# Allegro board A527_draft_V1_0.brd (continued)
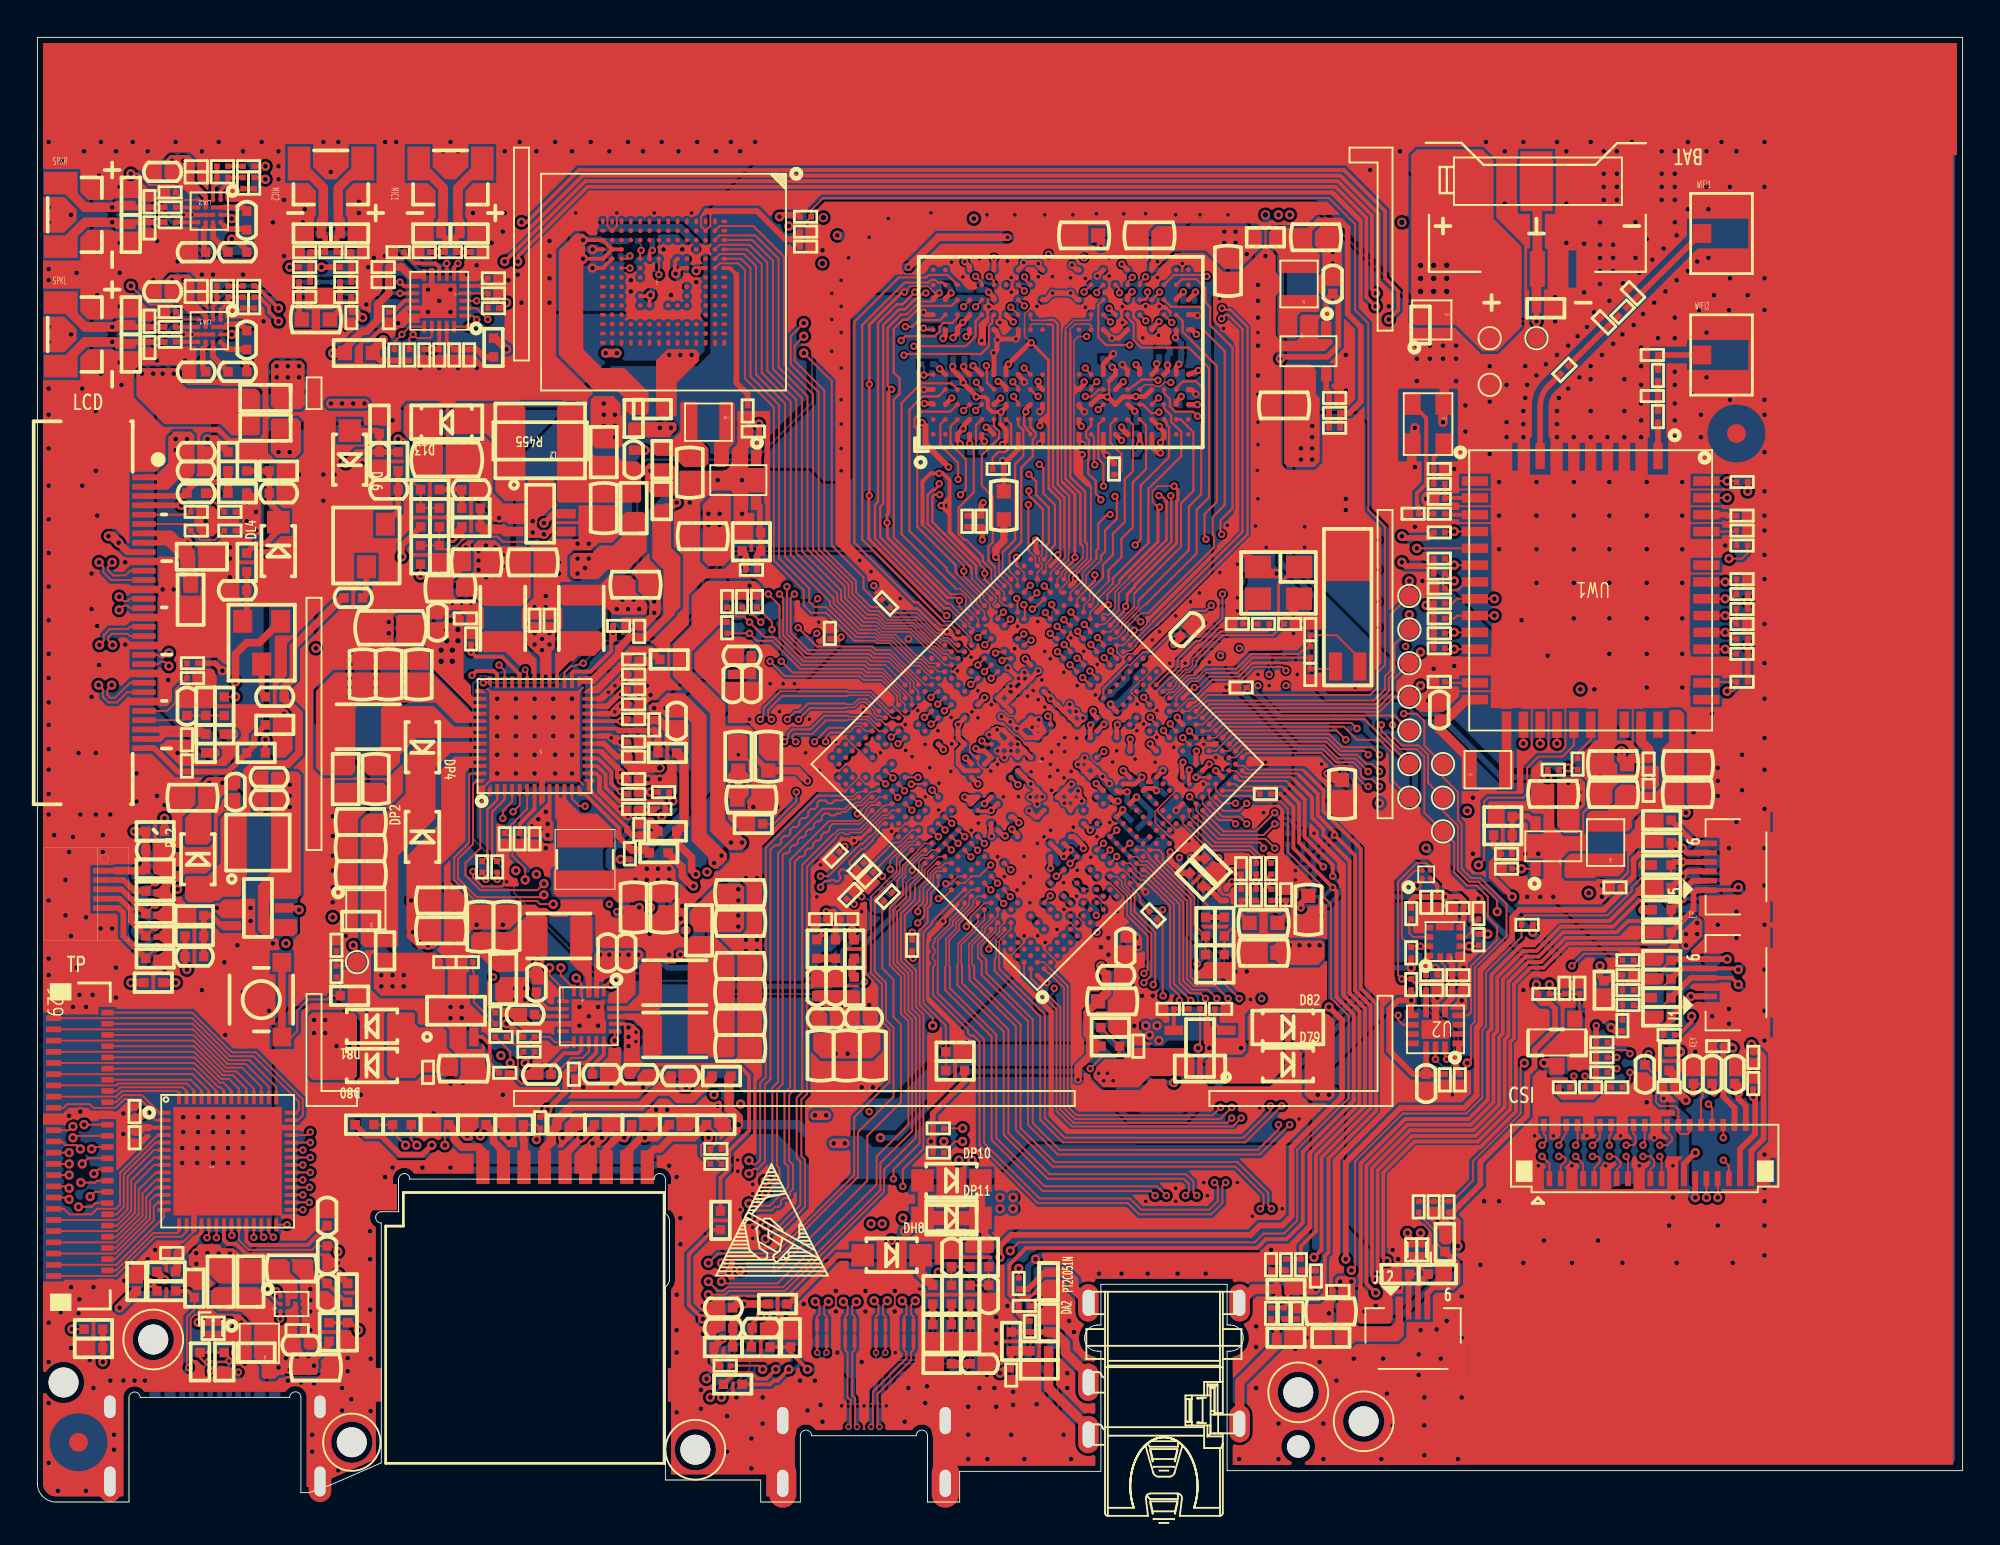
[diagram p0: board, top side]
## Routing (per net, layer and track width the routed paths; a pad name or vN(x,y) marks a point on that pad's centre or on a via; arc(x,y) is an arc through that point) (continued)
  BOTTOM w0.3: v1(54.1,66.8) 54.2,66.7 RD6.2 CD27.1 55.9,66.7 v1(56,66.6) ; v1(66.8,43.7) C60.1 68.4,43.7 ; v1(50.76,57.53) 51.05,57.53 CD26.1 ; v2(66.5,61.2) 66.5,50.3 68.4,48.4 68.4,43.7 ; 68.4,43.7 69,43.1 73.3,43.1 74.2,42.2 74.9,42.2 78.3,38.8 v2(80.8,38.8)
  BOTTOM w0.4: v2(66.5,61.2) 66.5,67.9 65.7,68.7 v4(65.7,68.9)
BLDO3: length 4.8
  TOP w0.2: UP1.21 31,41.4 31.1,41.3
  TOP w0.3: CP39.1 31.1,41.3
  TOP w0.4: RP35.1 33.2,41.1 CP39.1
BLDO4: length 96.6
  TOP w0.2: v1(31.2,41.8) UP1.22
  TOP w0.3: CV4.1 v2(91.8,21.7) 91.9,21.6 91.9,19.7 91.09,18.89 JV1.37 ; 31.5,41.8 CP41.1 31.3,41.9 v1(31.2,41.8) 31.5,41.8
  ART03 w0.4: v2(44.6,14.9) 44.6,15.3 45.7,16.4 49.6,16.4 52.5,19.3 59.8,19.3 62.65,22.15 65.3,22.15 65.93,22.78 67.58,22.78 67.7,22.9 81.4,22.9 82,23.5 83.4,23.5 84.5,22.4 85.4,22.4 86.1,23.1 90.7,23.1 91.8,22 v2(91.8,21.7)
  ART04 w0.4: v2(34.7,30.6) 36.1,29.2 36.1,23.7 38.3,21.5 38.3,21.2 v2(44.6,14.9)
  BOTTOM w0.4: v2(34.7,30.6) 34.2,30.6 33.4,31.4 33.4,32.1 33.1,32.4 32.1,32.4 31.4,33.1 31.4,33.7 34.6,36.9 34.6,39 31.8,41.8 v1(31.2,41.8)
BOOT-SEL-ADC: length 6.3
  TOP w0.1: U1.W1 59.86,34.41 61.9,32.37 61.9,30.9 R5.2 R8.1
BT-PCM-CLK: length 34.6
  TOP w0.1: U1.U4 v1(58.45,35.26) ; v2(77.1,34.1) 77.4,34.4 77.4,37.5 77.6,37.7 79.5,37.7 79.7,37.9 79.7,39.3 80.3,39.9 81.6,39.9 82.2,40.5 UW1.30
  ART04 w0.1: v1(58.45,35.26) 58.45,35.25 61.95,31.75 61.95,31.05 62.55,30.45 64.75,30.45 65.3,31 70.2,31 73.2,34 77,34 v2(77.1,34.1)
BT-PCM-DIN: length 37.2
  TOP w0.076: U1.U2 58.9,34.1 59.3,34.1
  TOP w0.1: 59.3,34.1 61.3,32.1 61.3,27.9 61.77,27.43 62.62,27.43 v1(63.1,26.95) ; UW1.28 v2(80.4,40.6)
  ART03 w0.1: v1(63.1,26.95) 63.7,26.35 65.73,26.35 66.48,27.1 70.33,27.1 72.1,28.87 72.1,30.62 73.1,31.62 73.1,35 78.2,40.1 79.9,40.1 v2(80.4,40.6)
BT-PCM-DOUT: length 37.8
  TOP w0.1: v1(62.5,26.95) 62.22,27.23 61.67,27.23 61.1,27.8 61.1,32 59.26,33.84 U1.U1 ; UW1.29 v2(81.3,40.6)
  ART03 w0.1: v1(62.5,26.95) 63.3,26.15 65.82,26.15 66.57,26.9 70.41,26.9 72.3,28.79 72.3,30.53 73.3,31.53 73.3,34.9 78.3,39.9 80.6,39.9 v2(81.3,40.6)
BT-PCM-SYNC: length 36.7
  TOP w0.076: 59.39,34.3 59.05,34.3 58.8,34.55 U1.U3
  TOP w0.1: 59.39,34.3 61.5,32.19 61.5,28 61.87,27.63 63.02,27.63 v1(63.7,26.95) ; UW1.27 v2(79.5,40.6)
  ART03 w0.1: v1(63.7,26.95) 64.1,26.55 65.65,26.55 66.4,27.3 70.25,27.3 71.9,28.95 71.9,30.7 72.9,31.7 72.9,35.1 78.4,40.6 v2(79.5,40.6)
BT-RESETN: length 35.5
  TOP w0.076: 64.05,40.5 63.75,40.21 U1.AM4
  TOP w0.1: 64.05,40.5 64.25,40.7 68.95,40.7 69.65,40 70.6,40 71.1,39.5 71.4,39.5 v1(71.8,39.1) ; v2(90.4,43.4) 90.7,43.4 90.9,43.6 RW65.1 89.34,43.9 UW1.38
  ART04 w0.1: v1(71.8,39.1) 72.6,39.1 75.9,35.8 83.9,35.8 90.4,42.3 v2(90.4,43.4)
BT-UART-CTS: length 51.7
  TOP w0.1: UW1.43 v2(90.3,48.35) 90.65,48.35 RW21.1 RW25.2 ; U1.R4 v1(57.74,34.55)
  ART04 w0.1: v1(57.74,34.55) 57.95,34.55 61.1,31.4 61.1,30.7 62.2,29.6 65.1,29.6 65.7,30.2 70.6,30.2 72.5,32.1 74.3,32.1 75.13,32.93 79.83,32.93 81.43,34.53 84.39,34.53 91.77,41.91 91.77,44.13 90.8,45.1 90.8,47.85 v2(90.3,48.35)
BT-UART-RTS: length 49.8
  TOP w0.1: UW1.42 v2(90.3,47.45) 90.45,47.45 RW24.2 RW20.1 ; U1.U6 v1(57.74,35.96)
  ART04 w0.1: v1(57.74,35.96) 58.34,35.96 62.37,31.93 62.37,31.23 62.73,30.87 64.57,30.87 65.1,31.4 67.8,31.4 68.3,31.9 70.3,31.9 72.9,34.5 75,34.5 75.7,35.2 84.1,35.2 91.1,42.2 91.1,43.8 89.6,45.3 89.6,46.75 v2(90.3,47.45)
BT-UART-RX: length 49.5
  TOP w0.1: U1.R6 v1(57.04,35.26) ; UW1.41 v2(90.3,46.55) 90.65,46.2 RW18.1
  ART04 w0.1: v1(57.04,35.26) 57.84,35.26 61.52,31.58 61.52,30.88 62.38,30.02 64.92,30.02 65.52,30.62 70.42,30.62 72.3,32.5 74.1,32.5 74.95,33.35 79.65,33.35 81.25,34.95 84.22,34.95 91.35,42.08 91.35,43.85 89.8,45.4 89.8,46.05 v2(90.3,46.55)
BT-UART-TX: length 48.1
  TOP w0.1: U1.R5 v1(57.39,34.9) ; RW19.1 90.55,45.4 v2(90.3,45.65) UW1.40
  ART04 w0.1: v1(57.39,34.9) 57.9,34.9 61.31,31.49 61.31,30.79 62.29,29.81 65.01,29.81 65.61,30.41 70.51,30.41 72.4,32.3 74.2,32.3 75.04,33.14 79.74,33.14 81.34,34.74 84.31,34.74 91.56,41.99 91.56,43.99 90.3,45.25 v2(90.3,45.65)
BT-WAKE-AP: length 46.4
  TOP w0.1: UW1.50 v2(90.4,54.65) 90.85,54.65 RW64.1 ; U1.AN4 63.76,40.56 64.1,40.9 69.03,40.9 69.73,40.2 71,40.2 v1(71.2,40)
  ART04 w0.1: v2(90.4,54.65) 89.9,54.15 89.9,53.5 91.2,52.2 91.2,50.1 90.9,49.8 90.1,49.8 89,48.7 89,42.7 85.2,38.9 85.2,38.1 83.5,36.4 76.3,36.4 72.3,40.4 71.6,40.4 v1(71.2,40)
CC1: length 10.4
  TOP w0.3: v2(3.5,7.5) DU5.2 RU20.1
  ART03 w0.1: v1(10.75,6.95) 10.3,6.5 6.5,6.5 5.9,7.1 3.9,7.1 v2(3.5,7.5)
  BOTTOM w0.2: JU3.A5 v1(10.75,6.95)
CC1-AXP717C: length 44.1
  TOP w0.1: v1(24.9,36.6) 24.9,37 25.4,37.5 UP1.4 ; RU20.2 v2(1.85,9.25)
  ART04 w0.1: v2(1.85,9.25) 2.65,9.25 4.6,11.2 9.7,11.2 11.85,13.35 12.9,13.35 15.4,15.85 15.4,17.7 23.35,25.65 23.35,26.7 22.9,27.15 22.9,33 22.7,33.2 22.7,34.7 24.6,36.6 v1(24.9,36.6)
CC2: length 6.3
  TOP w0.1: v1(8.1,7.2) 8,7.3 8,9.9 8.4,10.3 DU6.2
  TOP w0.2: RU21.1 8.05,11.3 DU6.2
  BOTTOM w0.2: JU3.B5 7.75,6.85 v1(8.1,7.2)
CC2-AXP717C: length 39.4
  TOP w0.1: v1(25.45,36.95) 25.8,37.3 UP1.5
  TOP w0.3: RU21.2 6.4,11.37 v2(6.04,11.74)
  ART04 w0.1: v2(6.04,11.74) 6.37,11.4 9.6,11.4 11.75,13.55 12.81,13.55 15.2,15.94 15.2,17.8 15.9,18.5 23.15,25.75 23.15,26.62 22.7,27.07 22.7,32.9 22.5,33.1 22.5,34.8 24.7,37 25.4,37 v1(25.45,36.95)
CHGLED-: length 56.3
  TOP w0.2: v1(23.25,44.25) 23.48,44.48 24.43,44.48 24.6,44.3 UP1.38
  ART03 w0.2: v1(30.6,32) 30.6,32.6 29.7,33.5 29.7,35.3 28.4,36.6 28.4,37.7 29.6,38.9 29.6,43.5 29,44.1 25,44.1 24.7,44.4 23.4,44.4 v1(23.25,44.25)
  ART04 w0.2: v1(30.6,32) 31.1,32.5 32.9,32.5 33.33,32.07 33.33,29.12 34.67,27.77 34.67,22.93 35.2,22.4 35.2,21.7 36.2,20.7 37.7,20.7 38,20.4 38,19.92 37.05,18.97 37.05,14.71 38.8,12.97 38.8,10.8 38.1,10.1 38.1,8.9 v2(35.8,6.6)
  BOTTOM w0.2: v2(35.8,6.6) 35.8,6.75 DP5.2
CLDO1: length 107.2
  TOP w0.2: UP1.23 30,42.2
  TOP w0.25: U1.N9 v1(55.27,34.9) ; v1(54.91,34.55) U1.M10
  TOP w0.254: v1(51.78,35.65) 51.76,35.67 51.67,35.67 U1.J15 ; v1(62.01,40.2) 61.98,40.17 61.98,39.51 U1.AJ5 ; U1.M21 U1.L22 49.26,39.5 49.26,40.21 U1.N24 49.26,40.91 v1(49.26,41.62) 49.61,41.98 U1.R26 ; U1.K13 52.44,35.71 v1(52.14,36.01)
  TOP w0.3: v1(30.9,42.3) 30.8,42.2 30,42.2 ; v1(54.91,34.55) v1(55.27,34.9) ; v1(69,39) 69.35,38.65 C69.1 69.45,39 v1(69,39)
  TOP w0.4: v2(9.1,56.9) 9.5,56.9 RL14.1 ; C107.1 58.2,30.44 v1(58.41,30.65) 58.8,30.26 v2(58.8,30.2) 58.9,30.1 v1(58.9,29.7) ; v2(25.1,61.7) 24.5,62.3 RA30.1 ; CP36.1 31.5,42.6 v1(31.2,42.6) 31.3,42.7 CP36.1
  TOP w0.5: C112.1 33.8,42.3 v2(33.6,42.5) v2(33,42.5) ; RL13.1 v2(9.5,40.1) ; 38.2,44.9 37.6,44.3 ; 38.2,44.9 v2(38.2,44.8) C113.1 37.6,44.3 ; 38.2,44.9 C114.1 ; 37.6,44.3 C115.1 ; v2(41.6,20.7) v2(42.2,20.7) ; v1(30.9,42.3) v1(31.2,42.6) ; C107.1 v2(58.8,30.2)
  ART03 w0.305: v1(52.14,36.01) v1(51.78,35.65)
  ART04 w0.3: v1(69,39) 68.4,39 67,40.4 62.9,40.4 62.6,40.1 62.11,40.1 v1(62.01,40.2) ; v1(49.26,41.62) 48.45,40.81 47.94,40.81 46.43,42.33 ; v1(51.78,35.65) v1(52.14,36.01)
  ART04 w0.5: v2(42.2,20.7) v2(41.6,20.7) 39.2,23.1 39.2,33.6 38.2,34.6 v2(36.6,34.6) v2(36.2,34.2) ; 46.43,42.33 46.43,42.58 44.6,44.4 38.6,44.4 v2(38.2,44.8)
  BOTTOM w0.3: C80.1 56.65,31.65 v1(56.65,31.4) ; v1(54.91,34.55) v1(55.27,34.9) ; v1(69,39) 69,37.8 70.6,36.2 70.6,27.07 66.73,23.2 62.7,23.2 ; 62.2,23.2 62.7,23.2 ; 62.7,23.2 62.5,23
  BOTTOM w0.305: v1(55.27,34.9) 55.3,34.9 56.2,34 56.22,34 C57.1
  BOTTOM w0.4: C58.1 C81.1 58.6,29.4 58.8,29.6 ; C58.1 v2(58.8,30.2) ; C58.1 58.4,30.64 v1(58.41,30.65) 58.4,30.66 C78.1 58.4,31.82 ; 58.4,31.82 58.8,31.42 v2(58.8,30.2) ; 58.4,31.82 C79.1 C57.1 ; v2(58.8,30.2) 58.8,29.6 ; v2(58.8,30.2) 58.9,30.1 v1(58.9,29.7) 58.8,29.6
  BOTTOM w0.5: v2(38.2,44.8) C19.1 C51.1 35.4,44.3 v2(33.6,42.5) v2(33,42.5) 32.95,42.45 31.95,42.45 31.9,42.4 ; 31,42.4 v1(30.9,42.3) ; 31,42.4 v1(31.2,42.6) 31.7,42.6 31.9,42.4 ; 31,42.4 31.9,42.4 ; v2(42.2,20.7) v2(41.6,20.7)
  vias: v2(33.8,61.4) v2(34.4,61.4) v2(35,61.4)
CLDO2: length 83.6
  TOP w0.2: 30,42.6 UP1.24
  TOP w0.3: 30,42.6 30.49,42.6 31.09,43.2 31.17,43.2 v1(31.2,43.23) ; v1(31.2,43.23) 31.23,43.23 31.3,43.3 31.4,43.3 CP38.1 31.4,43.5 31.2,43.3 v1(31.2,43.23)
  TOP w0.4: RL36.2 6.39,12.31 v2(6.8,11.9) ; RL35.2 v2(7.4,27.8) ; BL1.1 v2(6.8,36.6) ; RL37.2 v2(16.1,12.2)
  ART03 w0.4: v2(14.9,45.7) 14.1,44.9 14.1,41.2 10.67,37.77 9.77,37.77 8.6,36.6 v2(6.8,36.6) ; v2(6.8,11.9) 7.5,11.2 11.2,11.2 12.7,12.7 15.2,12.7 15.7,12.2 v2(16.1,12.2) 16.3,12.2 16.65,12.55 16.65,21.05 11.1,26.6 8.6,26.6 v2(7.4,27.8)
  ART04 w0.4: v2(14.9,45.7) 17.8,48.6 25,48.6 25.6,49.2 27.5,49.2 28.2,48.5 28.2,48.2 31.9,44.5 31.9,43.8 31.33,43.23 v1(31.2,43.23) 31.19,43.21 ; v2(6.8,36.6) 8.5,34.9 8.5,29.9 7.4,28.8 v2(7.4,27.8)
CLDO3: length 263.8
  TOP w0.1: 50.93,36.93 v1(51.03,37.03) 51.03,37.03 U1.J18 50.41,36.93 50.93,36.93
  TOP w0.2: U5.B1 74.9,33 C97.1 ; CP149.1 29,23.5 29.35,23.5 29.9,24.05 UP8.14 ; UM1.F5 34.1,66.4 34.1,65.8 v2(34.15,65.75) 34.45,66.05 UM1.E6 ; UM1.J10 32.75,64.55 ; 32.75,64.55 v2(32.8,64.6) ; 32.75,64.55 UM1.K9
  TOP w0.25: U1.AC9 v1(58.1,39.15) ; U1.L26 48.47,40.29 v1(48.47,40.28) ; U1.L17 v1(51.03,37.03)
  TOP w0.254: v1(56.48,42.34) 56.48,42.17 U1.AE16 ; v1(52.51,36.36) 52.2,36.67 U1.L15 ; U1.P9 55.47,35.61 55.97,35.12 v1(55.97,34.99)
  TOP w0.3: R6.2 49.6,22.5 47.9,20.8 RL33.1 47.9,19.4 v2(47.8,19.3) 47.9,19.2 RL34.1 ; RP77.1 17.6,19.6 18.4,19.6 19.4,18.6 20.6,18.6 v2(21.1,19.1) ; 36.6,47.1 36.3,47.4 ; 36.6,47.1 36.3,47.1 36.3,47.4 ; 36.6,47.1 R21.1 ; 36.3,47.4 36.3,48.3 36.5,48.5 R24.1 R22.1 v2(38.1,48.5) ; v1(42.6,31) 42.6,31.2 ; v1(42.6,31) 42.8,31 C56.1 ; v1(42.6,31) 42.4,31 C55.1 ; v1(42.6,31) 42.7,30.9 RP34.1 ; 42.6,31.2 C56.1 ; 42.6,31.2 v1(42.2,31.6) ; 42.6,31.2 C55.1 ; R35.2 v2(77.6,30.4) ; v1(42.2,31.6) 42.6,31.6 C56.1 ; v1(42.2,31.6) C55.1 ; C93.1 73.6,22.9 72.33,24.17 72.33,26.38 72.8,26.85 v2(73.5,26.85) ; C93.1 U2.12 ; C93.1 C92.1 ; RC3.2 36.6,19 37.5,19.9 v4(37.5,20.2) ; v1(60.8,45.9) 61.15,46.25 C104.1 ; RA29.1 18.35,61.1 R42.1 R41.1 ; U2.5 75.3,26.6 75.7,27 C91.1 v2(75.7,27.8) C100.1 75.7,28.8 75.55,28.95 U7.3 ; RC4.2 v2(27.3,21) 28.25,21.95 28.25,22.95 28.5,23.2 CP149.1 ; R28.1 v2(73.5,28.6) ; v2(73.5,26.85) R29.1 ; v2(73.5,26.85) 73.5,26.1 U2.8 ; v2(38.1,48.5) v2(38.1,49.05) ; v2(38.1,48.5) R23.1 ; U7.7 76.3,30.95 C101.1 76.3,32.2 76.1,32.4 v2(75.3,32.4) C97.1 C96.1 73.7,32.4 73.5,32.2 R33.2 ; C49.1 38.3,39.95 38.3,41.1 38,41.4 36.6,41.4
  TOP w0.4: C105.1 56.16,26.21 56.16,25.04 56.3,24.9 ; v1(55.68,22.6) 55.68,23.28 56.3,23.9 ; v1(41.2,38.6) 40.65,39.15 C49.1 ; 56.3,24.4 56.3,23.9 ; 56.3,24.4 56.8,24.4 ; 56.3,24.4 56.3,24.9 ; 56.3,23.9 56.8,24.4 ; 56.8,24.4 R47.2 ; 56.8,24.4 56.3,24.9 ; v2(36.64,8.74) R30.2 36.2,7.6 R31.2 ; C98.1 37.4,10.6 v2(37.8,10.6) RH4.1 ; C106.1 56.9,28.5 v2(56.9,28.7) ; v2(31,61.5) v2(30.4,61.5)
  TOP w0.5: RC2.1 37,22.7 37,21.07 37.5,20.57 v4(37.5,20.2) ; v2(43.2,19.2) v2(42.6,19.2) ; C105.1 57.2,27.25 C106.1 ; v2(18.5,62.2) 17.95,61.65 RA29.1
  ART03 w0.3: v2(73.5,26.85) 74.45,27.8 v2(75.7,27.8) ; v2(56.9,28.7) 56,29.6 56,31.7 56.4,32.1 56.4,33.75 55.8,34.35 55.8,34.82 v1(55.97,34.99) ; v1(51.03,37.03) 50.9,36.9 50.2,36.9 48.2,34.9 48.2,34.5 46.9,33.2 46.5,33.2 44.4,31.1 43.8,31.1 43.3,31.6 v1(42.2,31.6) ; v1(56.48,42.34) 56.48,42.46 59.03,45 59.9,45 v1(60.8,45.9) ; v1(42.6,31) 42.6,30.7 43.2,30.1 44.1,30.1 46.7,32.7 47.1,32.7 48.5,34.1 48.8,34.1 51,36.3 51.5,36.3 51.8,36.6 52.27,36.6 v1(52.51,36.36) ; v1(73.2,45.8) 73.2,42.9 73.7,42.4 73.7,39.3 v2(71.8,37.4)
  ART04 w0.3: v2(27.3,21) 26.5,20.2 22,20.2 21.1,19.3 v2(21.1,19.1) ; v2(56.9,28.7) 57.6,28.7 57.7,28.8 v1(62.05,28.8) ; v1(60.8,45.9) 63.5,45.9 63.9,46.3 66.2,46.3 66.7,45.8 v1(73.2,45.8) ; v1(41.2,38.6) 42.4,38.6 43.4,39.6 46.3,39.6 46.5,39.4 47,39.4 47.88,40.28 v1(48.47,40.28)
  ART04 w0.305: v1(58.1,39.15) 59.29,37.95 59.29,37.24 61.1,35.44 v1(61.1,34.5)
  ART04 w0.4: 42,31.6 40.5,31.6 40.1,32 40.1,34 38.8,35.3 v2(37.7,35.3) v2(37.1,35.3) ; 42,31.6 v1(42.2,31.6) 42.2,31.4 ; 42,31.6 42.2,31.4 ; v2(37.8,10.6) 38.4,11.2 38.4,12.8 36.65,14.55 36.65,19.35 36.88,19.58 ; 36.88,19.58 v4(37.5,20.2) ; 36.88,19.58 36.88,19.62 ; 36.88,19.62 36.3,20.2 ; 36.88,19.62 36.88,20.02 36.7,20.2 ; 42.2,31.4 v1(42.6,31)
  ART04 w0.5: v2(27.3,21) 27.9,21.6 34.4,21.6 35.8,20.2 v4(37.5,20.2)
  BOTTOM w0.3: v1(61.1,34.5) C61.1 61.7,33.4 61.7,30.4 62.3,29.8 62.3,29.1 62.05,28.85 v1(62.05,28.8) ; CM6.1 34.3,65.6 v2(34.15,65.75) ; v1(48.47,40.28) 48.47,40.33 C50.1 ; 71.8,32.1 71.8,26.7 68.2,23.1 ; 71.8,32.1 71.8,32.7 ; 71.8,32.1 72.1,32.4 ; v1(51.03,37.03) 50.9,36.9 50.68,36.9 C102.1 ; 71.8,32.7 72.1,32.4 ; 71.8,32.7 v2(71.8,37.4) ; 72.1,32.4 v2(75.3,32.4) 75.4,32.4 76.7,31.1 76.9,31.1 v2(77.6,30.4) ; v2(73.5,28.6) 72.3,28.6 ; v2(32.8,64.6) 32.9,64.7 CM1.1 ; 67.3,19.4 58.9,19.4 55.7,22.6 v1(55.68,22.6)
  BOTTOM w0.4: v2(36.64,8.74) 36.64,10.14 37.1,10.6 v2(37.8,10.6) 40.2,10.6 41.01,9.79 U6.5
  BOTTOM w0.5: v4(37.5,20.2) 40.7,20.2 42,18.9 ; v2(31,61.5) v2(30.4,61.5) ; v2(38.1,49.05) 38.1,49.1 37.7,49.5 TP21.1 37.5,49.1 v2(38.1,48.5) v2(38.1,49.05)
  vias: v2(33.3,57.5) v2(33.9,57.5)
CLDO4: length 18.4
  TOP w0.2: 29.72,44 29.61,43.89 UP1.27 29.11,44 29.29,44
  TOP w0.3: UP7.1 38.6,56.05 CP67.2 v2(38.6,57.7) ; v2(34.2,53.5) 34,53.3 33.6,53.3 RP31.1
  TOP w0.4: 33.9,48.3 33.9,47.6 33.7,47.4 ; 33.7,47.4 32.6,46.3 CP42.1 31.7,46.3 31.1,45.7 31.1,45.38 29.72,44 29.29,44 ; 33.7,47.4 33.7,48.6
  ART03 w0.3: v2(34.2,53.5) 34.2,53.8 35.45,55.05 35.95,55.05 v2(38.6,57.7)
CODEC0-AVDD: length 21.8
  TOP w0.2: UA3.18 CA47.1 ; 20.6,65.69 UA3.10
  TOP w0.3: CA47.1 v2(21.1,61.7) CA48.1 ; RA31.2 24.8,63.9 v2(25.1,64.2)
  TOP w0.4: RA29.2 16.45,61.75 17.37,62.67 17.62,62.67 18.2,63.25 18.2,64.1 18.8,64.7 CA54.1 CA53.1 19.5,66.1 19.91,65.69 20.6,65.69
  TOP w0.5: RA29.2 v2(15.8,61.5)
  ART03 w0.3: v2(25.1,64.2) 25.1,63.5 23.3,61.7 v2(21.1,61.7)
  ART03 w0.5: v2(21.1,61.7) 19.1,61.7 18.9,61.5 v2(15.8,61.5)
CPUS-TCK: length 31.2
  TOP w0.1: U2.4 76.55,26.05 76.7,26.2 76.7,28.7 78.1,30.1 78.1,30.8 77.6,31.3 77.6,32.4 77,33 76.5,33 75.8,33.7 75.8,35.3 TP33.1 74.2,36.9 74.2,39.9 73.8,40.3 72.9,40.3 71.9,41.3 v1(71.9,41.6) ; U1.AL7 v1(61.63,41.27)
  ART04 w0.1: v1(61.63,41.27) 62.26,41.9 71.6,41.9 v1(71.9,41.6)
CPUS-TDI: length 45
  TOP w0.076: 63.02,42.3 62.34,41.62 U1.AM8
  TOP w0.1: v2(74,43.7) TP35.1 72.6,43.1 71.8,42.3 63.02,42.3 ; UP5.1 v2(79.4,33.9) RP43.2
  ART03 w0.1: v2(79.4,33.9) 81.25,33.9 83.2,35.85 83.2,38.1 82.9,38.4 82.9,39.5 82.5,39.9 82.5,41.75 81.55,42.7 81.55,45.85 76.7,50.7 75.7,50.7 75,50 75,45.8 74,44.8 v2(74,43.7)
CPUS-TDO: length 58.5
  TOP w0.1: v2(74,45.5) TP34.1 72.5,44 72.5,43.3 71.7,42.5 62.86,42.5 U1.AN8 ; v1(72.8,26.05) 72.8,25.8 73.05,25.55 U2.9
  ART03 w0.1: v2(74,45.5) 74.8,46.3 74.8,50.1 75.6,50.9 76.8,50.9 81.75,45.95 81.75,42.8 82.7,41.85 82.7,40 83.1,39.6 83.1,38.5 83.4,38.2 83.4,35.75 81.5,33.85 81.5,28.3 81.7,28.1 81.7,27.4 80.75,26.45 73.2,26.45 v1(72.8,26.05)
CPUS-TMS: length 12.3
  TOP w0.076: U1.AM7 62.69,41.27 63.26,41.83
  TOP w0.1: 63.26,41.83 63.32,41.9 71,41.9 TP32.1
CPUS-TX: length 11.2
  TOP w0.1: U1.AN7 63.17,42.1 72.6,42.1 TP30.1
CPUSLDO: length 116.7
  TOP w0.2: UP1.28 28.6,44.35 28.7,44.45 29.6,44.45 30.7,45.55 30.7,46 ; 30.7,46 30.7,46.4 v1(30.8,46.5) 30.9,46.4 30.9,46.2 30.7,46
  TOP w0.254: U1.AC15 56.33,41.58 v1(56.34,41.6)
  TOP w0.3: CP20.1 v1(30.8,46.5)
  TOP w0.4: v2(43.6,30.6) 43.6,30.2 RP33.1
  ART03 w0.3: v1(31,31.6) 31.1,31.7 31.1,32.7 30.1,33.7 30.1,35.5 28.8,36.8 28.8,37.5 30,38.7 30,44.4 30.8,45.2 v1(30.8,46.5)
  ART04 w0.3: v2(43.6,30.6) 43.1,30.1 43.1,28.2 44,27.3 44.7,27.3 45.3,26.7 45.3,19.7 v2(45.1,19.5)
  BOTTOM w0.254: C2.1 C1.1 57.42,43.2 57.25,43.2 56.95,42.9 56.95,42.15 56.4,41.6 v1(56.34,41.6)
  BOTTOM w0.3: C2.1 58.3,44.08 58.3,44.4 59.5,45.6 59.8,45.6 60.6,46.4 63.2,46.4 63.8,45.8 63.8,44.7 64.4,44.1 64.4,43.4 67.5,40.3 68.9,40.3 69.9,39.3 69.9,38.6 71.2,37.3 71.2,27.07 66.73,22.6 63.5,22.6 61.4,20.5 58.4,20.5 55.85,23.05 49.55,23.05 46,19.5 v2(45.1,19.5) ; v2(43.6,30.6) 43.6,30 43.1,29.5 43.1,28.3 42.4,27.6 37.4,27.6 36.4,28.6 33.72,28.6 31,31.32 v1(31,31.6)
CPUX-RX: length 9.8
  TOP w0.1: U1.R29 48.49,43.04 v1(48.17,42.71)
  ART04 w0.1: v1(41.7,46.5) 42.6,45.6 45.6,45.6 46.5,44.7 46.8,44.7 48.17,43.33 v1(48.17,42.71)
  BOTTOM w0.1: TP25.1 v1(41.7,46.5)
CPUX-TCK: length 13.3
  TOP w0.1: R23.2 39.3,47.1 v1(39.3,46.7)
  TOP w0.114: v1(47.46,42.01) 47.52,42.01 U1.N29
  ART04 w0.1: v1(39.3,46.7) 39.8,46.7 41.5,45 45,45 47.46,42.54 v1(47.46,42.01)
  BOTTOM w0.1: TP26.1 v1(39.3,46.7)
CPUX-TDI: length 11.9
  TOP w0.076: 45.1,44.4 45.2,44.4 46.43,43.17 U1.M32
  TOP w0.1: 45.1,44.4 44.37,44.4 44.17,44.6 40.8,44.6 39.3,46.1 38.5,46.1 v1(38.1,46.5) R21.2
  BOTTOM w0.1: TP23.1 v1(38.1,46.5)
CPUX-TDO: length 13.1
  TOP w0.076: U1.M31 46.78,42.68 46.78,43.04 45.22,44.6 45.1,44.6
  TOP w0.1: R24.2 37.4,47.4 37.8,47.4 v1(38.1,47.1) 38.9,46.3 39.4,46.3 40.9,44.8 44.25,44.8 44.45,44.6 45.1,44.6
  BOTTOM w0.1: TP27.1 v1(38.1,47.1)
CPUX-TMS: length 14.6
  TOP w0.1: R22.2 38.1,47.5 38.3,47.5 v1(38.7,47.1) ; v1(47.82,41.65) 47.87,41.65 U1.N28
  ART04 w0.1: v1(47.82,41.65) 47.82,42.48 45.1,45.2 41.7,45.2 39.8,47.1 v1(38.7,47.1)
  BOTTOM w0.1: TP24.1 v1(38.7,47.1)
CPUX-TX: length 12.1
  TOP w0.114: U1.R28 48.58,42.35 v1(48.52,42.35)
  ART04 w0.1: v1(48.52,42.35) 48.52,43.28 46.9,44.9 46.6,44.9 45.69,45.81 42.79,45.81 42.2,46.4 42.2,47.9 v1(41.75,48.35)
  BOTTOM w0.1: TP22.1 v1(41.75,48.35)
CPVDD: length 1.2
  TOP w0.127: U1.AJ3 61.99,38.79 v1(61.99,38.79)
  BOTTOM w0.3: v1(61.99,38.79) 61.99,38.81 C70.1
CPVEE: length 3.4
  TOP w0.25: U1.AJ4 v1(62.69,39.5) ; U1.AK2 v1(63.05,39.15)
  BOTTOM w0.1: v1(62.69,39.5) 63.52,39.5 C71.1 63.88,39.52 63.88,39.38 63.65,39.15 v1(63.05,39.15)
CTP-INT: length 84.8
  TOP w0.076: U1.C16 48.55,34.2 48.3,33.95 48.05,33.95 47.78,33.68 47.78,33.24 47.4,32.86 47.4,32.55
  TOP w0.1: v1(10.4,14.27) 10.38,14.3 UL3.22 ; v1(47.1,31.6) 47.1,31.8 47.4,32.1 47.4,32.55 ; DL7.2 v2(6.3,33.2)
  TOP w0.3: DL7.2 5.2,32.7 4.6,33.3 JL4.2
  ART03 w0.1: v1(47.1,31.6) 46.4,31.6 44.4,29.6 42.78,29.6 42.58,29.8 41.9,29.8 40.4,28.3 36.3,28.3 34.6,30 34.45,30 33.25,31.2 32.24,31.2 31.73,30.7 29.39,30.7 28.6,29.92 25.23,29.92 24.72,29.4 23.65,29.4 23.45,29.2 20.28,29.2 18.42,31.06 16.16,31.06 16,30.9 13.58,30.9 11.28,33.2 v2(6.3,33.2) 5.6,32.5 5.6,27.95 8.15,25.4 10.55,25.4 15.47,20.48 15.47,14.97 14,13.5 11.3,13.5 10.53,14.27 v1(10.4,14.27)
  BOTTOM w0.4: TP8.1 5.9,33.6 v2(6.3,33.2)
CTP-RST: length 86.9
  TOP w0.076: U1.B16 48.47,33.76 48.1,33.76 47.93,33.59 47.93,33.03 47.6,32.7 47.6,32.4
  TOP w0.1: v1(47.1,31) 47.45,31.35 47.45,31.9 47.6,32.05 47.6,32.4 ; v2(16.07,13.4) 16.07,13.43 15.8,13.7 CL27.1 14.9,13.7 14.7,13.5 11.3,13.5 10.78,14.02 UL3.23 ; DL10.2 v2(6.4,29.7)
  TOP w0.3: JL4.5 4.34,31.8 4.6,31.53 4.6,30.3 DL10.2
  ART03 w0.1: v1(47.1,31) 46.1,31 44.5,29.4 42.7,29.4 42.5,29.6 42,29.6 40.5,28.1 36.22,28.1 34.52,29.8 34.37,29.8 33.17,31 32.32,31 31.82,30.5 29.47,30.5 28.68,29.72 25.32,29.72 24.8,29.2 23.73,29.2 23.53,29 20.2,29 18.34,30.86 16.24,30.86 16.08,30.7 13.47,30.7 11.37,32.8 v2(7.5,32.8) ; v2(16.07,13.4) 16.07,20.73 10.8,26 8.4,26 6.2,28.2 6.2,29.5 v2(6.4,29.7)
  ART04 w0.1: v2(7.5,32.8) 7.7,32.6 7.7,30.8 6.6,29.7 v2(6.4,29.7)
  BOTTOM w0.4: TP11.1 DL10.2 v2(6.4,29.7)
D+: length 5.5
  TOP w0.127: v1(9.13,7.5) 8.93,7.5 8.7,7.73 DU2.2 9.07,8 9.23,8.15 9.23,8.57 9.1,8.7 RU1.1
  BOTTOM w0.2: JU3.B6 8.75,7.1 9.13,7.47 v1(9.13,7.5) 9.38,7.5 9.75,7.13 JU3.A6
D-: length 5.6
  TOP w0.127: v1(9.25,7) 9.25,7.1 9.65,7.5 10.2,7.5 v1(10.25,7.55) 10.25,7.75 DU3.2 9.63,8 9.48,8.15 9.48,8.6 9.7,8.82 RU2.1
  BOTTOM w0.2: JU3.A7 v1(9.25,7) ; JU3.B7 v1(10.25,7.55)
DCDC1: length 12.9
  TOP w0.254: v1(52.41,41.41) 52.06,41.76 v1(52.04,41.76) 51.96,41.76 51.67,42.05 v1(51.57,42.05) ; v1(52.41,41.41) 52.9,40.91 U1.W19 ; v1(52.41,41.41) 52.58,41.41 U1.W21 ; v1(53.22,41.47) U1.W19 ; v1(53.22,41.47) 53.12,41.51 U1.W21 ; v1(53.22,41.47) v1(53.58,41.87) ; v1(53.22,41.47) 53.15,41.98 ; v1(53.22,41.47) U1.Y19 ; U1.W19 U1.Y19 ; v1(53.58,41.87) 53.38,41.87 53.15,41.98 ; v1(53.58,41.87) 53.57,41.85 U1.Y19 ; 53.15,41.98 U1.W21 ; 53.15,41.98 U1.Y21
  TOP w0.5: 37.45,39.1 37.2,38.85 v2(37.2,38.4) 37.2,37.85 C12.1 ; 37.45,39.1 C11.1 37.8,38.85 v2(37.8,38.4) 37.8,37.95 C12.1 ; 37.45,39.1 C12.1
  vias: v2(32,33.3) v2(32.6,33.9) v2(32.6,33.3) v2(33.2,33.9) v2(33.2,33.3) v2(33.8,33.9) v2(33.8,33.3)
DCDC2: length 24.5
  TOP w0.25: U1.L21 v1(50.32,38.44)
  TOP w0.254: v1(51.04,35.64) 51.03,35.65 U1.J16 ; v1(53.06,37) 53.39,36.67 U1.N13 U1.P13 ; U1.U12 55.6,38.07 v1(55.68,38.07) v1(55.88,37.52) 55.7,37.52 ; U1.U12 U1.U13 ; U1.U12 55.48,37.52 55.7,37.52 ; U1.U12 v1(54.95,37.41) ; 53.49,37.36 53.49,37.47 v1(53.76,37.75) 53.76,37.82 U1.R15 ; 53.49,37.36 v1(53.49,37.36) ; 53.49,37.36 v1(53.11,37.74) 53.46,38.09 U1.R15 ; v1(55.32,38.43) 55.26,38.43 U1.U13 ; 55.27,37.09 U1.T11 55.27,37.09 ; 55.27,37.09 55.7,37.52 ; 55.27,37.09 v1(54.95,37.41) ; U1.U13 U1.T13 54.63,37.73 v1(54.95,37.41) ; U1.R15 U1.R17 U1.R18 ; v1(49.67,39.82) 49.67,39.8 49.69,39.8 49.96,39.52 U1.M22 ; v1(50.21,40.33) 50.34,40.21 U1.P22 50.82,40.05 U1.P21 51.03,39.85 U1.N21
  TOP w0.5: 43.35,24.65 v2(44,24) 44.05,24 C25.1 44,24.65 ; 43.35,24.65 44,24.65 ; 43.35,24.65 C36.1 ; 43.35,24.65 v2(43.35,24) 44,24.65 ; RP41.1 v2(43.7,26.6) ; v2(43.1,26.6) 42.7,27 C110.1 ; C36.1 42.7,24.05 v2(42.7,24) 42.05,24.65 ; C36.1 42.05,24.65 ; C108.1 v2(43.7,25.4) ; C111.1 v2(42.7,25.4) ; C109.1 42,27.1 v2(42.5,26.6) ; 42.05,24.65 C32.1
  vias: v1(53.15,38.44) v2(23.6,50.9) v2(23.6,50.4) v2(23.6,49.9) v2(24,51.2) v2(24,49.5) v2(24.5,51.1) v2(24.5,49.6) v2(24.9,50.7) v2(24.9,50.1)
DCDC3: length 67.8
  TOP w0.1: v1(29.2,44.9) 28.5,44.7 28.2,44.4 UP1.29
  TOP w0.254: UD1.R5 57.03,60.92 v1(57.56,61.46) ; U1.Y24 51.75,43.37 51.72,43.37 ; U1.Y24 U1.AA24 ; U1.Y24 U1.W24 ; UD1.AB9 62.02,63.55 v1(62.07,63.51) ; U1.W23 U1.W24 ; U1.W24 U1.W25 51.72,43.37 ; v1(47.4,63.67) 47.53,63.55 UD1.A9 ; UD1.N12 55.61,65.95 v1(55.35,66.21) ; UD1.N10 55.64,64.35 v1(55.28,64.71) ; U1.AB24 U1.AA24 ; U1.AB24 U1.AC24 ; U1.AB24 52.79,43.79 52.5,44.09 ; U1.AA24 52.37,43.39 v1(52.08,43.68) ; UD1.R12 v1(56.7,65.63) ; UD1.R8 57.04,62.75 v1(57.49,62.3) 57.88,62.3 UD1.U8 ; CD1.1 51.7,55.3 RD1.2 51.7,55.69 v1(51.64,55.75) 51.88,55.75 52.48,56.35 UD1.H1 ; v1(53.54,44.49) U1.AC24 ; U1.AC24 52.82,44.42 v1(52.82,44.41) 52.5,44.09 ; v1(54.31,64.71) 53.95,64.35 UD1.K10 ; UD1.F5 51.18,61.5 v1(51.16,61.51) 51.33,61.68 51.33,62.17 v1(51.37,62.2) ; 51.72,43.37 52.02,43.68 v1(52.08,43.68) ; v1(51.37,62.2) 51.43,62.35 51.28,62.71 UD1.F8 ; v1(51.37,62.2) 51.42,62.25 v1(52.36,62.25) 52.48,62.37 UD1.H8 ; 52.5,44.09 v1(52.49,44.09) ; v1(51.93,44.65) 51.93,44.65 v1(52.49,44.09) ; v1(52.08,43.68) v1(52.49,44.09) ; UD1.K12 53.55,66.18 v1(53.55,66.29) 53.49,66.35 v1(52.77,66.35) 52.77,66.24 UD1.H12 ; UD1.K1 53.78,56.79 v1(53.63,56.64) ; UD1.R1 57.03,56.21 v1(57.21,56.03) 57.6,55.64 RD2.2 ; UD1.AB4 61.74,59.55 v1(61.98,59.31) ; UD1.K3 53.78,58.52 v1(53.63,58.37) ; v1(56.01,58.36) 55.73,58.65 UD1.N3 ; UD1.U5 58.33,60.6 v1(58.05,60.88) ; UD1.N1 55.73,56.8 v1(55.91,56.61) ; UD1.A4 47.43,59.55 v1(47.42,59.55) ; UD1.H5 52.48,60.33 52.8,60 v1(52.8,59.95)
  TOP w0.3: v1(55.28,64.71) v1(54.31,64.71)
  TOP w0.4: v1(56.9,67.2) 56.9,67.65 CD12.1
  BOTTOM w0.076: 49.87,58.67 49.87,58.56 49.87,58.56 49.87,58.3 49.87,58.29 49.87,58.16 ; 59.6,65.91 59.61,65.89 59.61,65.39 59.6,65.37 ; 59.72,64.94 59.72,64.43 ; 58.91,65.43 58.91,65.86 ; 49.89,60.09 49.89,59.71 ; 49.87,64.16 49.87,63.67 ; 50.55,64.16 50.55,63.57 ; 50.4,60.95 50.4,60.55 ; 52.43,64.94 52.43,64.59
  BOTTOM w0.1: v1(29.2,44.9) 30.4,46.1 33.8,46.1 35.6,47.9 35.6,49.3 37.2,50.9 44.7,50.9 48.6,47 48.9,47 49.5,46.4 49.5,46.1 49.6,46 49.8,46
  BOTTOM w0.3: CD5.1 51.37,62.43 v1(51.37,62.2) ; 55.26,64.7 v1(55.28,64.71) 55.19,64.8 CD2.1 54.4,64.8 v1(54.31,64.71) 54.33,64.7 ; v1(57.49,62.3) 57,61.82 CD7.1 ; v1(47.42,59.55) 48.05,59.55 CD3.1 ; CD4.1 61.7,59.59 v1(61.98,59.31)
  vias: v2(31,47.8) v2(31.3,48.3) v2(31.6,47.8) v2(31.9,48.3) v2(32.2,47.8)
DCXO-XIN: length 11.9
  TOP w0.076: 62,45 62,44.78 61.63,44.41 61.46,44.41 60.9,43.85 60.9,43.72 60.67,43.49 60.32,43.49 U1.AM13
  TOP w0.114: 62,45 63.4,46.4 66.1,46.4 C30.1
  TOP w0.15: C30.1 66.4,47.3 66.4,49.1 67.35,50.05 Y1.1
DCXO-XOUT: length 7
  TOP w0.076: U1.AN13 61.4,44.57 61.57,44.57 61.8,44.8 61.8,45.1 61.9,45.2
  TOP w0.114: 61.9,45.2 63.3,46.6 65.8,46.6 65.9,46.7 R4.1
DDR-PARA-SEL-ADC: length 8.6
  TOP w0.1: R10.1 R7.2 64,30.8 64,31.7 63.9,31.8 62.75,31.8 60.2,34.35 60.2,34.7 60,34.9 U1.W2
DDR-PARA-SEL-GPIO: length 11.1
  TOP w0.1: U1.B13 49.58,32.78 47.85,31.05 47.85,30.95 47.4,30.5 47.4,26.7 48.6,25.5 R9.2 R6.1
DDR-PARA-SEL-GPIO1: length 21.2
  TOP w0.076: U1.B14 49.61,33.14 49.92,33.45
  TOP w0.1: R48.2 R47.1 57.9,24.1 57.7,23.9 57.03,23.9 v1(56.33,23.2) ; 49.92,33.45 49.97,33.5 50.4,33.5 v1(51,34.1)
  ART04 w0.1: v1(51,34.1) 50.2,34.1 49.9,33.8 49.9,31.1 50.05,30.95 50.05,27.85 54.7,23.2 v1(56.33,23.2)
DSP-TCK: length 118.1
  TOP w0.076: 62.29,42.28 61.98,41.98 61.63,41.98 U1.AM9
  TOP w0.1: v2(73.4,47.5) TP37.1 72.6,45.9 72.6,44.4 72.3,44.1 72.3,43.4 71.6,42.7 62.71,42.7 62.29,42.28
  ART03 w0.1: v2(73.4,47.5) 73.4,47.9 74.6,49.1 74.6,50.2 75.5,51.1 76.9,51.1 84.05,43.95 84.05,39.85 84.4,39.5 84.4,35.4 82.3,33.3 82.3,29.45 82.95,28.8 82.95,27.35 81.25,25.65 73.85,25.65 73.3,25.1 66.6,25.1 66.45,24.95 62.1,24.95 61.3,24.15 61.3,24 58.9,21.6 46.35,21.6 45.65,20.9 v1(44.5,20.9)
  ART04 w0.1: v2(48.2,12.3) 48.2,14 44.5,17.7 v1(44.5,20.9)
  BOTTOM w0.1: v2(48.2,12.3) 49.5,12.3 51.9,9.9 51.9,6.5 51.8,6.4 51.8,4.6 52.1,4.3 54.1,4.3 R25.1 54.6,4.8 54.6,8.45 U3.2
DSP-TDI: length 35.1
  TOP w0.1: QV1.1 82.5,26.1 CV7.1 RV14.2 RV13.2 v2(80.9,27.7) ; v1(72.5,41.6) 72.5,41 73,40.5 73.9,40.5 74.4,40 74.4,38.5 TP39.1 75.2,37 76,36.2 76,33.8 76.6,33.2 77.1,33.2 78.1,32.2 v2(78.1,31.6)
  TOP w0.114: v1(60.25,41.3) 60.25,41.24 U1.AJ9
  ART03 w0.1: v2(80.9,27.7) 80.9,28.8 v2(78.1,31.6)
  ART04 w0.1: v1(72.5,41.6) 72,42.1 61.9,42.1 61.1,41.3 v1(60.25,41.3)
DSP-TDO: length 49.8
  TOP w0.1: RU7.2 RU8.1 RU4.2 75.7,16.1 76.8,17.2 76.8,18.25 79.35,20.8 79.35,23.3 v2(79.55,23.5) ; v1(60.61,41.66) 60.61,41.58 U1.AK9 ; v1(73.1,42.2) 73.8,42.2 74.2,41.8 74.2,40.5 TP38.1 75.2,38.8 76,38 76,36.5 76.2,36.3 76.2,33.9 76.7,33.4 77.2,33.4 78.6,32 78.6,30.3 76.9,28.6 76.9,25.7 76.7,25.5 76.7,23.7 v2(76.5,23.5)
  ART04 w0.1: v1(73.1,42.2) 73,42.3 61.8,42.3 61.1,41.6 60.67,41.6 v1(60.61,41.66) ; v2(76.5,23.5) v2(79.55,23.5)
DSP-TMS: length 74.1
  TOP w0.1: U1.AN9 62.56,42.9 71.5,42.9 72.1,43.5 72.1,44.2 72.4,44.5 72.4,47.5 TP36.1 v2(73.4,49.3) ; v2(62.1,24.3) 62.2,24.4 RP86.1
  ART03 w0.1: v2(62.1,24.3) 62.55,24.75 66.53,24.75 66.68,24.9 73.38,24.9 73.93,25.45 81.33,25.45 83.15,27.27 83.15,28.9 82.5,29.55 82.5,33.2 84.6,35.3 84.6,39.6 84.25,39.95 84.25,44.05 77,51.3 75.4,51.3 v2(73.4,49.3)
EMMC-CLK: length 28.7
  TOP w0.1: RM1.2 44.79,48.31 44.2,48.9 44.2,49.5 42.5,51.2 42.5,60 v2(41,61.5) ; UM1.M6 v1(31.7,66.05)
  ART04 w0.1: v2(41,61.5) 40.8,61.5 40,62.3 40,64.2 37.2,67 35.2,67 34.6,66.4 32.05,66.4 v1(31.7,66.05)
EMMC-CMD: length 35.8
  TOP w0.076: 45.25,47.45 45.49,47.21 46.94,47.21 47.98,46.17 48.11,46.17 48.42,45.86 U1.W33
  TOP w0.1: v2(41,63.1) 40.3,62.4 40.3,60.9 41.8,59.4 41.8,51 43.6,49.2 43.6,48.6 44.5,47.7 45,47.7 45.25,47.45 ; UM1.M5 31.55,66.55 v1(31.7,66.7)
  ART04 w0.1: v1(31.7,66.7) 31.7,67.1 32.3,67.7 37.5,67.7 41,64.2 v2(41,63.1)
  BOTTOM w0.1: RM9.1 v1(31.7,66.7)
EMMC-D0: length 29.6
  TOP w0.076: U1.V32 48.55,45.16 48.45,45.16 47.96,45.65 47.84,45.65 46.74,46.75 45.26,46.75 44.91,47.1 44.7,47.1
  TOP w0.1: 44.7,47.1 44.2,47.1 43,48.3 43,48.8 40.9,50.9 40.9,59.1 39.35,60.65 39.35,66.45 38.25,67.55 UM1.A3
